# KiCad board main.kicad_pcb (continued)
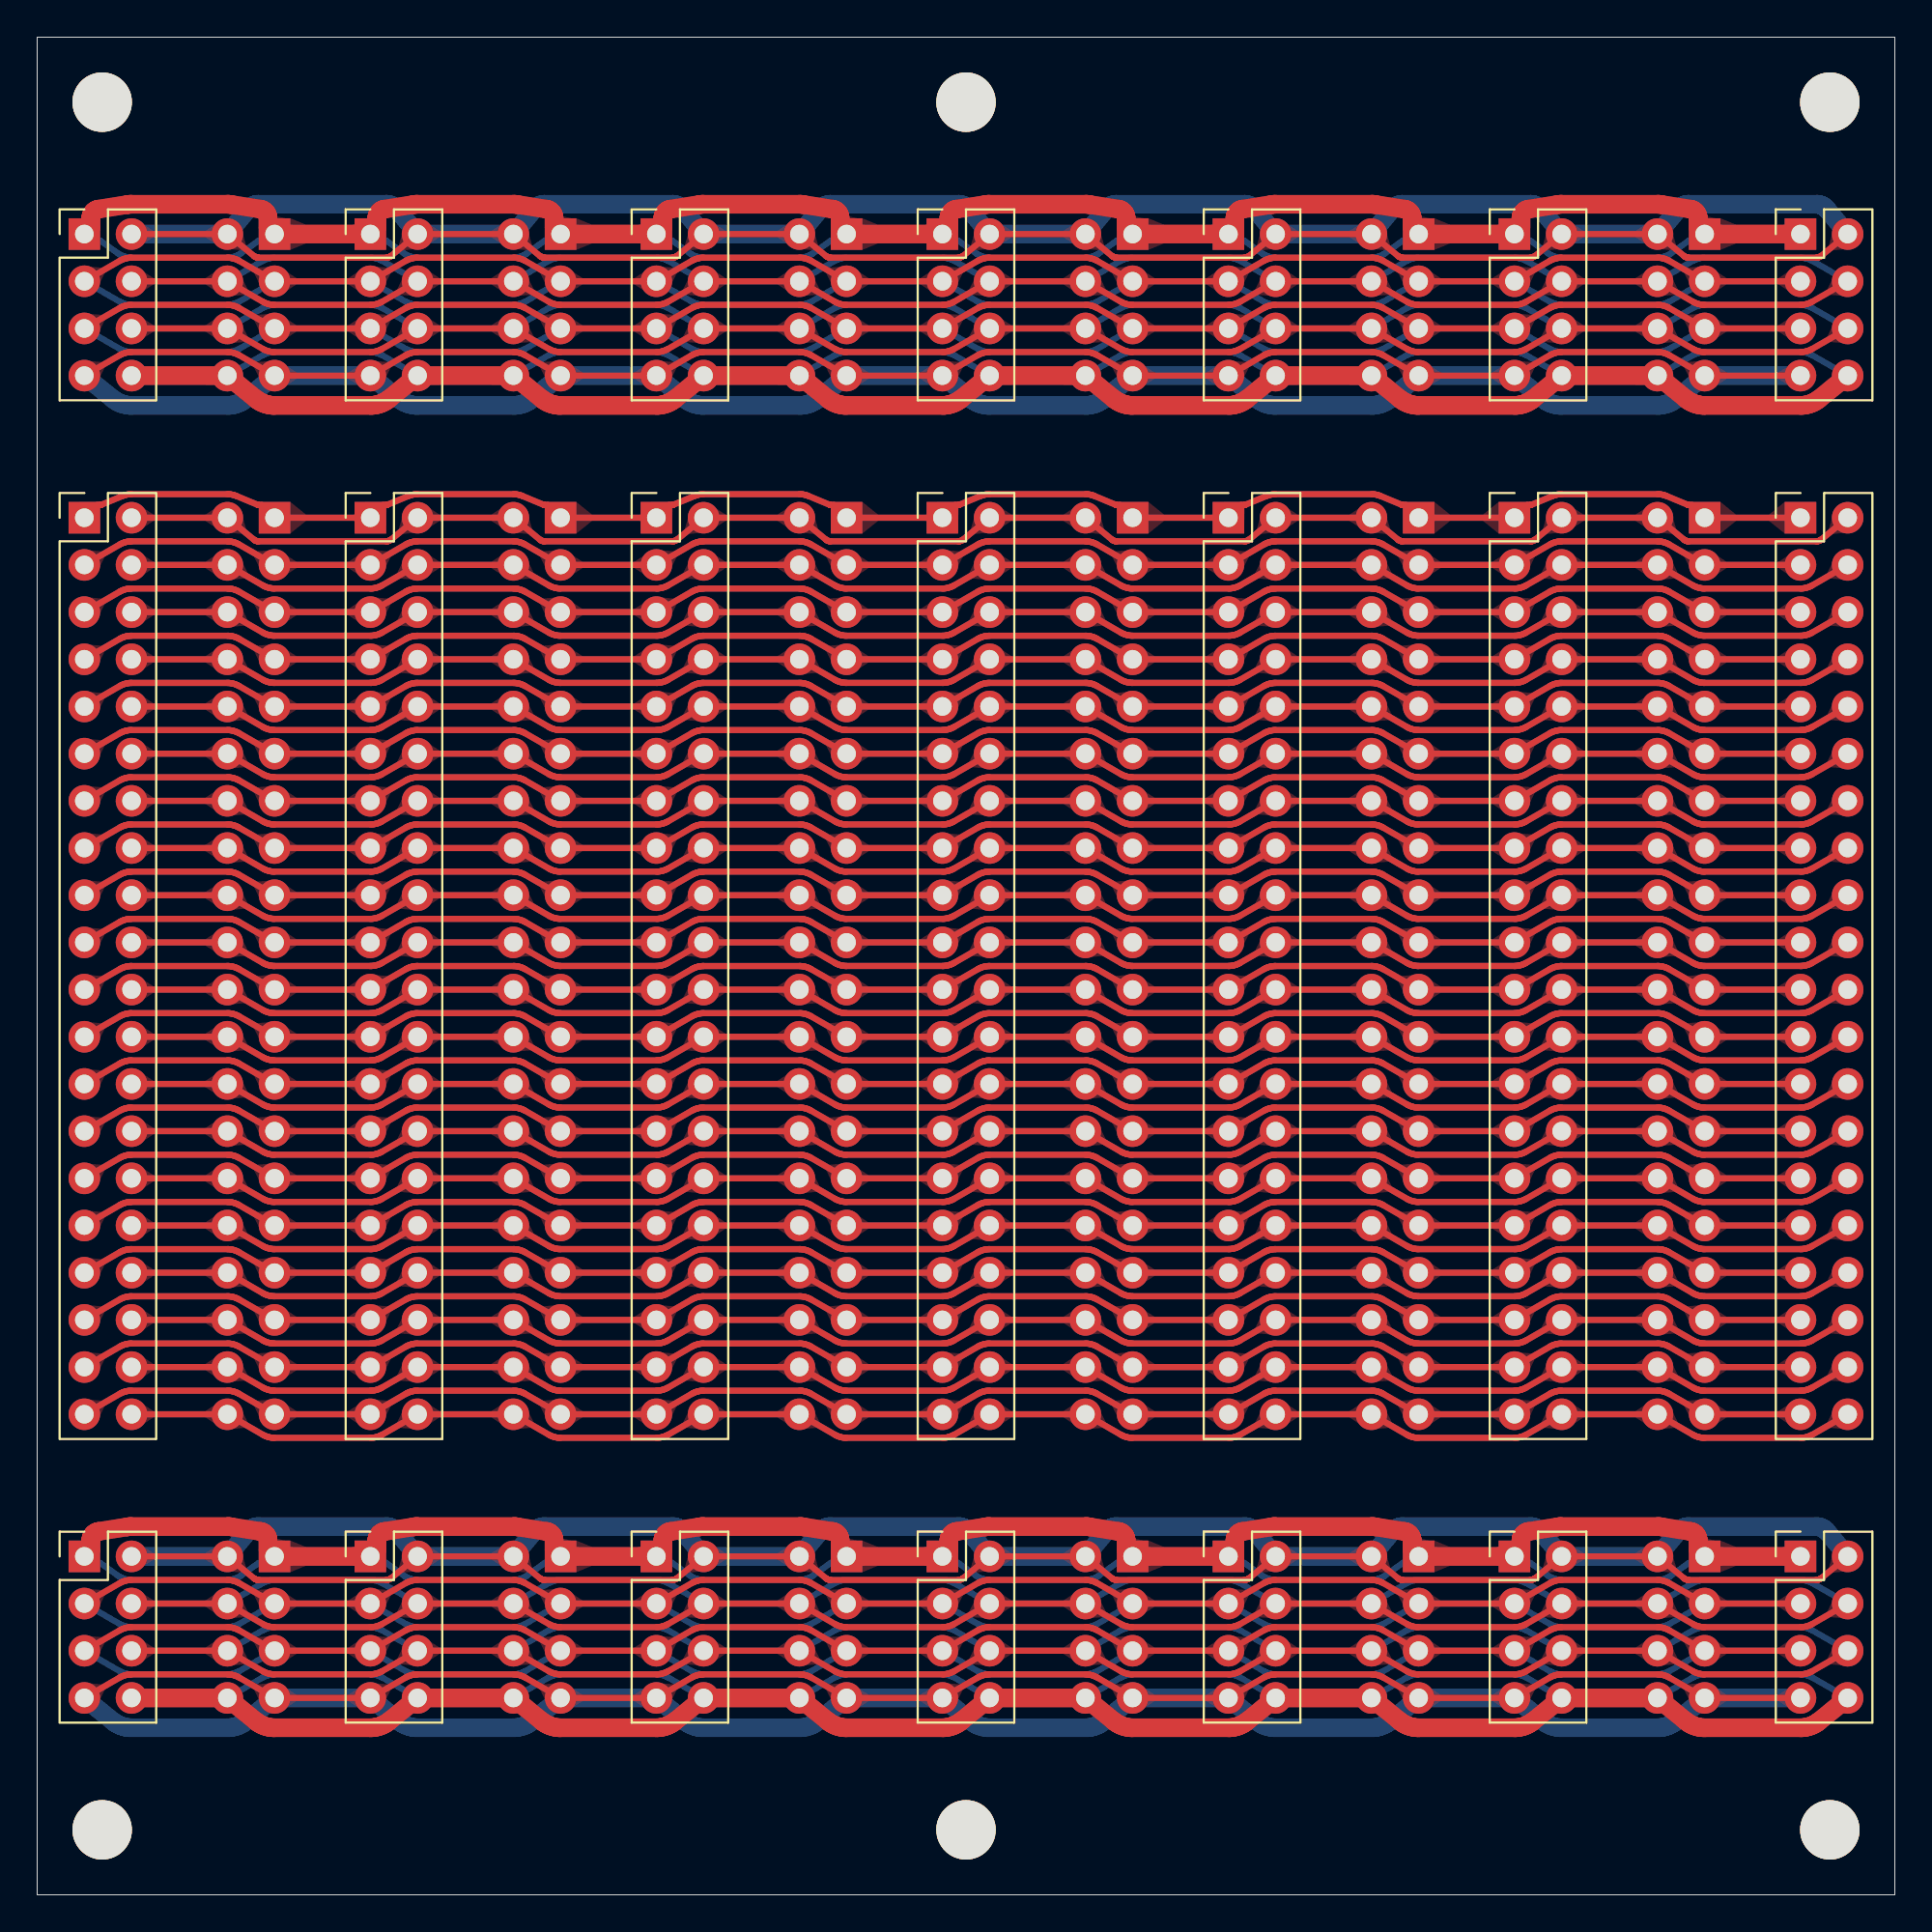
[diagram p0: board, top side]
## Routing (per net, layer and track width the routed paths; a pad name or vN(x,y) marks a point on that pad's centre or on a via; arc(x,y) is an arc through that point) (continued)
C5: length 192.5
  Top w0.33: J39.5 J17.5 87.86,14.24 87.8,14.27 87.75,14.29 87.69,14.32 87.64,14.34 87.58,14.36 87.52,14.37 87.46,14.39 87.4,14.4 87.34,14.4 87.28,14.41 87.22,14.41 82.06,14.41 82,14.41 81.94,14.4 81.88,14.4 81.82,14.39 81.76,14.37 81.71,14.36 81.65,14.34 81.59,14.32 81.54,14.29 81.48,14.27 81.43,14.24 J32.5 J18.5 72.46,14.24 72.41,14.27 72.35,14.29 72.3,14.32 72.24,14.34 72.18,14.36 72.12,14.37 72.07,14.39 72.01,14.4 71.95,14.4 71.89,14.41 71.83,14.41 66.67,14.41 66.61,14.41 66.55,14.4 66.49,14.4 66.43,14.39 66.37,14.37 66.31,14.36 66.25,14.34 66.2,14.32 66.14,14.29 66.09,14.27 66.03,14.24 J33.5 J34.5 57.06,14.24 57.01,14.27 56.96,14.29 56.9,14.32 56.84,14.34 56.79,14.36 56.73,14.37 56.67,14.39 56.61,14.4 56.55,14.4 56.49,14.41 56.43,14.41 51.27,14.41 51.21,14.41 51.15,14.4 51.09,14.4 51.03,14.39 50.97,14.37 50.91,14.36 50.85,14.34 50.8,14.32 50.74,14.29 50.69,14.27 50.64,14.24 J31.5 J14.5 41.67,14.24 41.61,14.27 41.56,14.29 41.5,14.32 41.45,14.34 41.39,14.36 41.33,14.37 41.27,14.39 41.21,14.4 41.15,14.4 41.09,14.41 41.03,14.41 35.87,14.41 35.81,14.41 35.75,14.4 35.69,14.4 35.63,14.39 35.57,14.37 35.52,14.36 35.46,14.34 35.4,14.32 35.35,14.29 35.29,14.27 35.24,14.24 J35.5 J15.5 26.27,14.24 26.22,14.27 26.16,14.29 26.11,14.32 26.05,14.34 25.99,14.36 25.93,14.37 25.88,14.39 25.82,14.4 25.76,14.4 25.7,14.41 25.63,14.41 20.48,14.41 20.42,14.41 20.36,14.4 20.3,14.4 20.24,14.39 20.18,14.37 20.12,14.36 20.06,14.34 20.01,14.32 19.95,14.29 19.9,14.27 19.84,14.24 J36.5 J16.5 10.87,14.24 10.82,14.27 10.77,14.29 10.71,14.32 10.65,14.34 10.6,14.36 10.54,14.37 10.48,14.39 10.42,14.4 10.36,14.4 10.3,14.41 10.24,14.41 5.08,14.41 5.02,14.41 4.96,14.4 4.9,14.4 4.84,14.39 4.78,14.37 4.72,14.36 4.66,14.34 4.61,14.32 4.55,14.29 4.5,14.27 4.45,14.24 J1.5
  Bottom w0.33: J1.5 4.45,12.04 4.5,12.01 4.55,11.99 4.61,11.96 4.66,11.94 4.72,11.92 4.78,11.91 4.84,11.89 4.9,11.88 4.96,11.88 5.02,11.87 5.08,11.87 10.24,11.87 10.3,11.87 10.36,11.88 10.42,11.88 10.48,11.89 10.54,11.91 10.6,11.92 10.65,11.94 10.71,11.96 10.77,11.99 10.82,12.01 10.87,12.04 J16.5 J36.5 19.84,12.04 19.9,12.01 19.95,11.99 20.01,11.96 20.06,11.94 20.12,11.92 20.18,11.91 20.24,11.89 20.3,11.88 20.36,11.88 20.42,11.87 20.48,11.87 25.63,11.87 25.7,11.87 25.76,11.88 25.82,11.88 25.88,11.89 25.93,11.91 25.99,11.92 26.05,11.94 26.11,11.96 26.16,11.99 26.22,12.01 26.27,12.04 J15.5 J35.5 35.24,12.04 35.29,12.01 35.35,11.99 35.4,11.96 35.46,11.94 35.52,11.92 35.57,11.91 35.63,11.89 35.69,11.88 35.75,11.88 35.81,11.87 35.87,11.87 41.03,11.87 41.09,11.87 41.15,11.88 41.21,11.88 41.27,11.89 41.33,11.91 41.39,11.92 41.45,11.94 41.5,11.96 41.56,11.99 41.61,12.01 41.67,12.04 J14.5 J31.5 50.64,12.04 50.69,12.01 50.74,11.99 50.8,11.96 50.85,11.94 50.91,11.92 50.97,11.91 51.03,11.89 51.09,11.88 51.15,11.88 51.21,11.87 51.27,11.87 56.43,11.87 56.49,11.87 56.55,11.88 56.61,11.88 56.67,11.89 56.73,11.91 56.79,11.92 56.84,11.94 56.9,11.96 56.96,11.99 57.01,12.01 57.06,12.04 J34.5 J33.5 66.03,12.04 66.09,12.01 66.14,11.99 66.2,11.96 66.25,11.94 66.31,11.92 66.37,11.91 66.43,11.89 66.49,11.88 66.55,11.88 66.61,11.87 66.67,11.87 71.83,11.87 71.89,11.87 71.95,11.88 72.01,11.88 72.07,11.89 72.12,11.91 72.18,11.92 72.24,11.94 72.3,11.96 72.35,11.99 72.41,12.01 72.46,12.04 J18.5 J32.5 81.43,12.04 81.48,12.01 81.54,11.99 81.59,11.96 81.65,11.94 81.71,11.92 81.76,11.91 81.82,11.89 81.88,11.88 81.94,11.88 82,11.87 82.06,11.87 87.22,11.87 87.28,11.87 87.34,11.88 87.4,11.88 87.46,11.89 87.52,11.91 87.58,11.92 87.64,11.94 87.69,11.96 87.75,11.99 87.8,12.01 87.86,12.04 J17.5 J39.5
C6: length 192.5
  Top w0.33: J1.6 J16.6 12.14,12.04 12.2,12.01 12.25,11.99 12.31,11.96 12.36,11.94 12.42,11.92 12.48,11.91 12.54,11.89 12.6,11.88 12.66,11.88 12.72,11.87 12.78,11.87 17.94,11.87 18,11.87 18.06,11.88 18.12,11.88 18.18,11.89 18.24,11.91 18.29,11.92 18.35,11.94 18.41,11.96 18.46,11.99 18.52,12.01 18.57,12.04 J36.6 J15.6 27.54,12.04 27.59,12.01 27.65,11.99 27.7,11.96 27.76,11.94 27.82,11.92 27.88,11.91 27.93,11.89 27.99,11.88 28.05,11.88 28.11,11.87 28.17,11.87 33.33,11.87 33.39,11.87 33.45,11.88 33.51,11.88 33.57,11.89 33.63,11.91 33.69,11.92 33.75,11.94 33.8,11.96 33.86,11.99 33.91,12.01 33.97,12.04 J35.6 J14.6 42.94,12.04 42.99,12.01 43.04,11.99 43.1,11.96 43.16,11.94 43.21,11.92 43.27,11.91 43.33,11.89 43.39,11.88 43.45,11.88 43.51,11.87 43.57,11.87 48.73,11.87 48.79,11.87 48.85,11.88 48.91,11.88 48.97,11.89 49.03,11.91 49.09,11.92 49.15,11.94 49.2,11.96 49.26,11.99 49.31,12.01 49.36,12.04 J31.6 J34.6 58.33,12.04 58.39,12.01 58.44,11.99 58.5,11.96 58.55,11.94 58.61,11.92 58.67,11.91 58.73,11.89 58.79,11.88 58.85,11.88 58.91,11.87 58.97,11.87 64.13,11.87 64.19,11.87 64.25,11.88 64.31,11.88 64.37,11.89 64.43,11.91 64.48,11.92 64.54,11.94 64.6,11.96 64.65,11.99 64.71,12.01 64.76,12.04 J33.6 J18.6 73.73,12.04 73.78,12.01 73.84,11.99 73.89,11.96 73.95,11.94 74.01,11.92 74.07,11.91 74.12,11.89 74.18,11.88 74.24,11.88 74.3,11.87 74.36,11.87 79.52,11.87 79.58,11.87 79.64,11.88 79.7,11.88 79.76,11.89 79.82,11.91 79.88,11.92 79.94,11.94 79.99,11.96 80.05,11.99 80.1,12.01 80.16,12.04 J32.6 J17.6 89.13,12.04 89.18,12.01 89.23,11.99 89.29,11.96 89.35,11.94 89.4,11.92 89.46,11.91 89.52,11.89 89.58,11.88 89.64,11.88 89.7,11.87 89.76,11.87 94.92,11.87 94.98,11.87 95.04,11.88 95.1,11.88 95.16,11.89 95.22,11.91 95.28,11.92 95.34,11.94 95.39,11.96 95.45,11.99 95.5,12.01 95.55,12.04 J39.6
  Bottom w0.33: J39.6 95.55,14.24 95.5,14.27 95.45,14.29 95.39,14.32 95.34,14.34 95.28,14.36 95.22,14.37 95.16,14.39 95.1,14.4 95.04,14.4 94.98,14.41 94.92,14.41 89.76,14.41 89.7,14.41 89.64,14.4 89.58,14.4 89.52,14.39 89.46,14.37 89.4,14.36 89.35,14.34 89.29,14.32 89.23,14.29 89.18,14.27 89.13,14.24 J17.6 J32.6 80.16,14.24 80.1,14.27 80.05,14.29 79.99,14.32 79.94,14.34 79.88,14.36 79.82,14.37 79.76,14.39 79.7,14.4 79.64,14.4 79.58,14.41 79.52,14.41 74.36,14.41 74.3,14.41 74.24,14.4 74.18,14.4 74.12,14.39 74.07,14.37 74.01,14.36 73.95,14.34 73.89,14.32 73.84,14.29 73.78,14.27 73.73,14.24 J18.6 J33.6 64.76,14.24 64.71,14.27 64.65,14.29 64.6,14.32 64.54,14.34 64.48,14.36 64.43,14.37 64.37,14.39 64.31,14.4 64.25,14.4 64.19,14.41 64.13,14.41 58.97,14.41 58.91,14.41 58.85,14.4 58.79,14.4 58.73,14.39 58.67,14.37 58.61,14.36 58.55,14.34 58.5,14.32 58.44,14.29 58.39,14.27 58.33,14.24 J34.6 J31.6 49.36,14.24 49.31,14.27 49.26,14.29 49.2,14.32 49.15,14.34 49.09,14.36 49.03,14.37 48.97,14.39 48.91,14.4 48.85,14.4 48.79,14.41 48.73,14.41 43.57,14.41 43.51,14.41 43.45,14.4 43.39,14.4 43.33,14.39 43.27,14.37 43.21,14.36 43.16,14.34 43.1,14.32 43.04,14.29 42.99,14.27 42.94,14.24 J14.6 J35.6 33.97,14.24 33.91,14.27 33.86,14.29 33.8,14.32 33.75,14.34 33.69,14.36 33.63,14.37 33.57,14.39 33.51,14.4 33.45,14.4 33.39,14.41 33.33,14.41 28.17,14.41 28.11,14.41 28.05,14.4 27.99,14.4 27.93,14.39 27.88,14.37 27.82,14.36 27.76,14.34 27.7,14.32 27.65,14.29 27.59,14.27 27.54,14.24 J15.6 J36.6 18.57,14.24 18.52,14.27 18.46,14.29 18.41,14.32 18.35,14.34 18.29,14.36 18.24,14.37 18.18,14.39 18.12,14.4 18.06,14.4 18,14.41 17.94,14.41 12.78,14.41 12.72,14.41 12.66,14.4 12.6,14.4 12.54,14.39 12.48,14.37 12.42,14.36 12.36,14.34 12.31,14.32 12.25,14.29 12.2,14.27 12.14,14.24 J16.6 J1.6
C7: length 195
  Top w0.33: J1.7 4.45,11.7 4.5,11.73 4.55,11.75 4.61,11.78 4.66,11.8 4.72,11.82 4.78,11.83 4.84,11.85 4.9,11.86 4.96,11.86 5.02,11.87 5.08,11.87 10.24,11.87 10.3,11.87 10.36,11.86 10.42,11.86 10.48,11.85 10.54,11.83 10.6,11.82 10.65,11.8 10.71,11.78 10.77,11.75 10.82,11.73 10.87,11.7 J16.7 J36.7 19.84,11.7 19.9,11.73 19.95,11.75 20.01,11.78 20.06,11.8 20.12,11.82 20.18,11.83 20.24,11.85 20.3,11.86 20.36,11.86 20.42,11.87 20.48,11.87 25.63,11.87 25.7,11.87 25.76,11.86 25.82,11.86 25.88,11.85 25.93,11.83 25.99,11.82 26.05,11.8 26.11,11.78 26.16,11.75 26.22,11.73 26.27,11.7 J15.7 J35.7 35.24,11.7 35.29,11.73 35.35,11.75 35.4,11.78 35.46,11.8 35.52,11.82 35.57,11.83 35.63,11.85 35.69,11.86 35.75,11.86 35.81,11.87 35.87,11.87 41.03,11.87 41.09,11.87 41.15,11.86 41.21,11.86 41.27,11.85 41.33,11.83 41.39,11.82 41.45,11.8 41.5,11.78 41.56,11.75 41.61,11.73 41.67,11.7 J14.7 J31.7 50.64,11.7 50.69,11.73 50.74,11.75 50.8,11.78 50.85,11.8 50.91,11.82 50.97,11.83 51.03,11.85 51.09,11.86 51.15,11.86 51.21,11.87 51.27,11.87 56.43,11.87 56.49,11.87 56.55,11.86 56.61,11.86 56.67,11.85 56.73,11.83 56.79,11.82 56.84,11.8 56.9,11.78 56.96,11.75 57.01,11.73 57.06,11.7 J34.7 J33.7 66.03,11.7 66.09,11.73 66.14,11.75 66.2,11.78 66.25,11.8 66.31,11.82 66.37,11.83 66.43,11.85 66.49,11.86 66.55,11.86 66.61,11.87 66.67,11.87 71.83,11.87 71.89,11.87 71.95,11.86 72.01,11.86 72.07,11.85 72.12,11.83 72.18,11.82 72.24,11.8 72.3,11.78 72.35,11.75 72.41,11.73 72.46,11.7 J18.7 J32.7 81.43,11.7 81.48,11.73 81.54,11.75 81.59,11.78 81.65,11.8 81.71,11.82 81.76,11.83 81.82,11.85 81.88,11.86 81.94,11.86 82,11.87 82.06,11.87 87.22,11.87 87.28,11.87 87.34,11.86 87.4,11.86 87.46,11.85 87.52,11.83 87.58,11.82 87.64,11.8 87.69,11.78 87.75,11.75 87.8,11.73 87.86,11.7 J17.7 J39.7
  Bottom w1: J39.7 J17.7 88.24,9.36 88.17,9.31 88.11,9.26 88.04,9.22 87.97,9.18 87.9,9.15 87.83,9.12 87.76,9.09 87.69,9.06 87.61,9.04 87.53,9.03 87.46,9.01 87.38,9 87.3,9 87.22,9 82.06,9 81.98,9 81.91,9 81.83,9.01 81.75,9.03 81.68,9.04 81.6,9.06 81.53,9.09 81.45,9.12 81.38,9.15 81.31,9.18 81.24,9.22 81.18,9.26 81.11,9.31 81.05,9.36 J32.7 J18.7 72.84,9.36 72.78,9.31 72.71,9.26 72.65,9.22 72.58,9.18 72.51,9.15 72.44,9.12 72.36,9.09 72.29,9.06 72.21,9.04 72.14,9.03 72.06,9.01 71.98,9 71.9,9 71.83,9 66.67,9 66.59,9 66.51,9 66.43,9.01 66.36,9.03 66.28,9.04 66.2,9.06 66.13,9.09 66.06,9.12 65.98,9.15 65.91,9.18 65.85,9.22 65.78,9.26 65.72,9.31 65.65,9.36 J33.7 J34.7 57.44,9.36 57.38,9.31 57.32,9.26 57.25,9.22 57.18,9.18 57.11,9.15 57.04,9.12 56.97,9.09 56.89,9.06 56.82,9.04 56.74,9.03 56.66,9.01 56.58,9 56.51,9 56.43,9 51.27,9 51.19,9 51.11,9 51.04,9.01 50.96,9.03 50.88,9.04 50.81,9.06 50.73,9.09 50.66,9.12 50.59,9.15 50.52,9.18 50.45,9.22 50.38,9.26 50.32,9.31 50.26,9.36 J31.7 J14.7 42.05,9.36 41.98,9.31 41.92,9.26 41.85,9.22 41.78,9.18 41.71,9.15 41.64,9.12 41.57,9.09 41.5,9.06 41.42,9.04 41.34,9.03 41.27,9.01 41.19,9 41.11,9 41.03,9 35.87,9 35.79,9 35.72,9 35.64,9.01 35.56,9.03 35.49,9.04 35.41,9.06 35.34,9.09 35.26,9.12 35.19,9.15 35.12,9.18 35.05,9.22 34.99,9.26 34.92,9.31 34.86,9.36 J35.7 J15.7 26.65,9.36 26.59,9.31 26.52,9.26 26.46,9.22 26.39,9.18 26.32,9.15 26.25,9.12 26.17,9.09 26.1,9.06 26.02,9.04 25.95,9.03 25.87,9.01 25.79,9 25.71,9 25.63,9 20.48,9 20.4,9 20.32,9 20.24,9.01 20.17,9.03 20.09,9.04 20.01,9.06 19.94,9.09 19.87,9.12 19.79,9.15 19.72,9.18 19.66,9.22 19.59,9.26 19.53,9.31 19.46,9.36 J36.7 J16.7 11.25,9.36 11.19,9.31 11.13,9.26 11.06,9.22 10.99,9.18 10.92,9.15 10.85,9.12 10.78,9.09 10.7,9.06 10.63,9.04 10.55,9.03 10.47,9.01 10.39,9 10.32,9 10.24,9 5.08,9 5,9 4.92,9 4.85,9.01 4.77,9.03 4.69,9.04 4.62,9.06 4.54,9.09 4.47,9.12 4.4,9.15 4.33,9.18 4.26,9.22 4.19,9.26 4.13,9.31 4.07,9.36 J1.7
C8: length 195
  Top w1: J1.8 J16.8 11.76,9.36 11.83,9.31 11.89,9.26 11.96,9.22 12.03,9.18 12.1,9.15 12.17,9.12 12.24,9.09 12.31,9.06 12.39,9.04 12.47,9.03 12.54,9.01 12.62,9 12.7,9 12.78,9 17.94,9 18.02,9 18.09,9 18.17,9.01 18.25,9.03 18.32,9.04 18.4,9.06 18.47,9.09 18.55,9.12 18.62,9.15 18.69,9.18 18.76,9.22 18.82,9.26 18.89,9.31 18.95,9.36 J36.8 J15.8 27.16,9.36 27.22,9.31 27.29,9.26 27.35,9.22 27.42,9.18 27.49,9.15 27.56,9.12 27.64,9.09 27.71,9.06 27.79,9.04 27.86,9.03 27.94,9.01 28.02,9 28.1,9 28.17,9 33.33,9 33.41,9 33.49,9 33.57,9.01 33.64,9.03 33.72,9.04 33.8,9.06 33.87,9.09 33.94,9.12 34.02,9.15 34.09,9.18 34.15,9.22 34.22,9.26 34.28,9.31 34.35,9.36 J35.8 J14.8 42.56,9.36 42.62,9.31 42.68,9.26 42.75,9.22 42.82,9.18 42.89,9.15 42.96,9.12 43.03,9.09 43.11,9.06 43.18,9.04 43.26,9.03 43.34,9.01 43.42,9 43.49,9 43.57,9 48.73,9 48.81,9 48.89,9 48.96,9.01 49.04,9.03 49.12,9.04 49.19,9.06 49.27,9.09 49.34,9.12 49.41,9.15 49.48,9.18 49.55,9.22 49.62,9.26 49.68,9.31 49.74,9.36 J31.8 J34.8 57.95,9.36 58.02,9.31 58.08,9.26 58.15,9.22 58.22,9.18 58.29,9.15 58.36,9.12 58.43,9.09 58.5,9.06 58.58,9.04 58.66,9.03 58.73,9.01 58.81,9 58.89,9 58.97,9 64.13,9 64.21,9 64.28,9 64.36,9.01 64.44,9.03 64.51,9.04 64.59,9.06 64.66,9.09 64.74,9.12 64.81,9.15 64.88,9.18 64.95,9.22 65.01,9.26 65.08,9.31 65.14,9.36 J33.8 J18.8 73.35,9.36 73.41,9.31 73.48,9.26 73.54,9.22 73.61,9.18 73.68,9.15 73.75,9.12 73.83,9.09 73.9,9.06 73.98,9.04 74.05,9.03 74.13,9.01 74.21,9 74.29,9 74.36,9 79.52,9 79.6,9 79.68,9 79.76,9.01 79.83,9.03 79.91,9.04 79.99,9.06 80.06,9.09 80.13,9.12 80.21,9.15 80.28,9.18 80.34,9.22 80.41,9.26 80.47,9.31 80.54,9.36 J32.8 J17.8 88.75,9.36 88.81,9.31 88.87,9.26 88.94,9.22 89.01,9.18 89.08,9.15 89.15,9.12 89.22,9.09 89.3,9.06 89.37,9.04 89.45,9.03 89.53,9.01 89.61,9 89.68,9 89.76,9 94.92,9 95,9 95.08,9 95.15,9.01 95.23,9.03 95.31,9.04 95.38,9.06 95.46,9.09 95.53,9.12 95.6,9.15 95.67,9.18 95.74,9.22 95.81,9.26 95.87,9.31 95.93,9.36 J39.8
  Bottom w0.33: J1.8 J16.8 12.14,11.7 12.2,11.73 12.25,11.75 12.31,11.78 12.36,11.8 12.42,11.82 12.48,11.83 12.54,11.85 12.6,11.86 12.66,11.86 12.72,11.87 12.78,11.87 17.94,11.87 18,11.87 18.06,11.86 18.12,11.86 18.18,11.85 18.24,11.83 18.29,11.82 18.35,11.8 18.41,11.78 18.46,11.75 18.52,11.73 18.57,11.7 J36.8 J15.8 27.54,11.7 27.59,11.73 27.65,11.75 27.7,11.78 27.76,11.8 27.82,11.82 27.88,11.83 27.93,11.85 27.99,11.86 28.05,11.86 28.11,11.87 28.17,11.87 33.33,11.87 33.39,11.87 33.45,11.86 33.51,11.86 33.57,11.85 33.63,11.83 33.69,11.82 33.75,11.8 33.8,11.78 33.86,11.75 33.91,11.73 33.97,11.7 J35.8 J14.8 42.94,11.7 42.99,11.73 43.04,11.75 43.1,11.78 43.16,11.8 43.21,11.82 43.27,11.83 43.33,11.85 43.39,11.86 43.45,11.86 43.51,11.87 43.57,11.87 48.73,11.87 48.79,11.87 48.85,11.86 48.91,11.86 48.97,11.85 49.03,11.83 49.09,11.82 49.15,11.8 49.2,11.78 49.26,11.75 49.31,11.73 49.36,11.7 J31.8 J34.8 58.33,11.7 58.39,11.73 58.44,11.75 58.5,11.78 58.55,11.8 58.61,11.82 58.67,11.83 58.73,11.85 58.79,11.86 58.85,11.86 58.91,11.87 58.97,11.87 64.13,11.87 64.19,11.87 64.25,11.86 64.31,11.86 64.37,11.85 64.43,11.83 64.48,11.82 64.54,11.8 64.6,11.78 64.65,11.75 64.71,11.73 64.76,11.7 J33.8 J18.8 73.73,11.7 73.78,11.73 73.84,11.75 73.89,11.78 73.95,11.8 74.01,11.82 74.07,11.83 74.12,11.85 74.18,11.86 74.24,11.86 74.3,11.87 74.36,11.87 79.52,11.87 79.58,11.87 79.64,11.86 79.7,11.86 79.76,11.85 79.82,11.83 79.88,11.82 79.94,11.8 79.99,11.78 80.05,11.75 80.1,11.73 80.16,11.7 J32.8 J17.8 89.13,11.7 89.18,11.73 89.23,11.75 89.29,11.78 89.35,11.8 89.4,11.82 89.46,11.83 89.52,11.85 89.58,11.86 89.64,11.86 89.7,11.87 89.76,11.87 94.92,11.87 94.98,11.87 95.04,11.86 95.1,11.86 95.16,11.85 95.22,11.83 95.28,11.82 95.34,11.8 95.39,11.78 95.45,11.75 95.5,11.73 95.55,11.7 J39.8
CLK: length 192.5
  Top w0.33: J3.24 J26.24 12.14,45.09 12.2,45.06 12.25,45.04 12.31,45.01 12.36,44.99 12.42,44.97 12.48,44.96 12.54,44.94 12.6,44.93 12.66,44.93 12.72,44.92 12.78,44.92 17.94,44.92 18,44.92 18.06,44.93 18.12,44.93 18.18,44.94 18.24,44.96 18.29,44.97 18.35,44.99 18.41,45.01 18.46,45.04 18.52,45.06 18.57,45.09 J12.24 J9.24 27.54,45.09 27.59,45.06 27.65,45.04 27.7,45.01 27.76,44.99 27.82,44.97 27.88,44.96 27.93,44.94 27.99,44.93 28.05,44.93 28.11,44.92 28.17,44.92 33.33,44.92 33.39,44.92 33.45,44.93 33.51,44.93 33.57,44.94 33.63,44.96 33.69,44.97 33.75,44.99 33.8,45.01 33.86,45.04 33.91,45.06 33.97,45.09 J13.24 J28.24 42.94,45.09 42.99,45.06 43.04,45.04 43.1,45.01 43.16,44.99 43.21,44.97 43.27,44.96 43.33,44.94 43.39,44.93 43.45,44.93 43.51,44.92 43.57,44.92 48.73,44.92 48.79,44.92 48.85,44.93 48.91,44.93 48.97,44.94 49.03,44.96 49.09,44.97 49.15,44.99 49.2,45.01 49.26,45.04 49.31,45.06 49.36,45.09 J11.24 J27.24 58.33,45.09 58.39,45.06 58.44,45.04 58.5,45.01 58.55,44.99 58.61,44.97 58.67,44.96 58.73,44.94 58.79,44.93 58.85,44.93 58.91,44.92 58.97,44.92 64.13,44.92 64.19,44.92 64.25,44.93 64.31,44.93 64.37,44.94 64.43,44.96 64.48,44.97 64.54,44.99 64.6,45.01 64.65,45.04 64.71,45.06 64.76,45.09 J25.24 J38.24 73.73,45.09 73.78,45.06 73.84,45.04 73.89,45.01 73.95,44.99 74.01,44.97 74.07,44.96 74.12,44.94 74.18,44.93 74.24,44.93 74.3,44.92 74.36,44.92 79.52,44.92 79.58,44.92 79.64,44.93 79.7,44.93 79.76,44.94 79.82,44.96 79.88,44.97 79.94,44.99 79.99,45.01 80.05,45.04 80.1,45.06 80.16,45.09 J30.24 J10.24 89.13,45.09 89.18,45.06 89.23,45.04 89.29,45.01 89.35,44.99 89.4,44.97 89.46,44.96 89.52,44.94 89.58,44.93 89.64,44.93 89.7,44.92 89.76,44.92 94.92,44.92 94.98,44.92 95.04,44.93 95.1,44.93 95.16,44.94 95.22,44.96 95.28,44.97 95.34,44.99 95.39,45.01 95.45,45.04 95.5,45.06 95.55,45.09 J29.24
  Bottom w0.33: J29.24 95.55,45.09 95.5,45.06 95.45,45.04 95.39,45.01 95.34,44.99 95.28,44.97 95.22,44.96 95.16,44.94 95.1,44.93 95.04,44.93 94.98,44.92 94.92,44.92 89.76,44.92 89.7,44.92 89.64,44.93 89.58,44.93 89.52,44.94 89.46,44.96 89.4,44.97 89.35,44.99 89.29,45.01 89.23,45.04 89.18,45.06 89.13,45.09 J10.24 J30.24 80.16,45.09 80.1,45.06 80.05,45.04 79.99,45.01 79.94,44.99 79.88,44.97 79.82,44.96 79.76,44.94 79.7,44.93 79.64,44.93 79.58,44.92 79.52,44.92 74.36,44.92 74.3,44.92 74.24,44.93 74.18,44.93 74.12,44.94 74.07,44.96 74.01,44.97 73.95,44.99 73.89,45.01 73.84,45.04 73.78,45.06 73.73,45.09 J38.24 J25.24 64.76,45.09 64.71,45.06 64.65,45.04 64.6,45.01 64.54,44.99 64.48,44.97 64.43,44.96 64.37,44.94 64.31,44.93 64.25,44.93 64.19,44.92 64.13,44.92 58.97,44.92 58.91,44.92 58.85,44.93 58.79,44.93 58.73,44.94 58.67,44.96 58.61,44.97 58.55,44.99 58.5,45.01 58.44,45.04 58.39,45.06 58.33,45.09 J27.24 J11.24 49.36,45.09 49.31,45.06 49.26,45.04 49.2,45.01 49.15,44.99 49.09,44.97 49.03,44.96 48.97,44.94 48.91,44.93 48.85,44.93 48.79,44.92 48.73,44.92 43.57,44.92 43.51,44.92 43.45,44.93 43.39,44.93 43.33,44.94 43.27,44.96 43.21,44.97 43.16,44.99 43.1,45.01 43.04,45.04 42.99,45.06 42.94,45.09 J28.24 J13.24 33.97,45.09 33.91,45.06 33.86,45.04 33.8,45.01 33.75,44.99 33.69,44.97 33.63,44.96 33.57,44.94 33.51,44.93 33.45,44.93 33.39,44.92 33.33,44.92 28.17,44.92 28.11,44.92 28.05,44.93 27.99,44.93 27.93,44.94 27.88,44.96 27.82,44.97 27.76,44.99 27.7,45.01 27.65,45.04 27.59,45.06 27.54,45.09 J9.24 J12.24 18.57,45.09 18.52,45.06 18.46,45.04 18.41,45.01 18.35,44.99 18.29,44.97 18.24,44.96 18.18,44.94 18.12,44.93 18.06,44.93 18,44.92 17.94,44.92 12.78,44.92 12.72,44.92 12.66,44.93 12.6,44.93 12.54,44.94 12.48,44.96 12.42,44.97 12.36,44.99 12.31,45.01 12.25,45.04 12.2,45.06 12.14,45.09 J26.24 J3.24
F_A0: length 192.5
  Top w0.33: J29.26 95.55,42.55 95.5,42.52 95.45,42.5 95.39,42.47 95.34,42.45 95.28,42.43 95.22,42.42 95.16,42.4 95.1,42.39 95.04,42.39 94.98,42.38 94.92,42.38 89.76,42.38 89.7,42.38 89.64,42.39 89.58,42.39 89.52,42.4 89.46,42.42 89.4,42.43 89.35,42.45 89.29,42.47 89.23,42.5 89.18,42.52 89.13,42.55 J10.26 J30.26 80.16,42.55 80.1,42.52 80.05,42.5 79.99,42.47 79.94,42.45 79.88,42.43 79.82,42.42 79.76,42.4 79.7,42.39 79.64,42.39 79.58,42.38 79.52,42.38 74.36,42.38 74.3,42.38 74.24,42.39 74.18,42.39 74.12,42.4 74.07,42.42 74.01,42.43 73.95,42.45 73.89,42.47 73.84,42.5 73.78,42.52 73.73,42.55 J38.26 J25.26 64.76,42.55 64.71,42.52 64.65,42.5 64.6,42.47 64.54,42.45 64.48,42.43 64.43,42.42 64.37,42.4 64.31,42.39 64.25,42.39 64.19,42.38 64.13,42.38 58.97,42.38 58.91,42.38 58.85,42.39 58.79,42.39 58.73,42.4 58.67,42.42 58.61,42.43 58.55,42.45 58.5,42.47 58.44,42.5 58.39,42.52 58.33,42.55 J27.26 J11.26 49.36,42.55 49.31,42.52 49.26,42.5 49.2,42.47 49.15,42.45 49.09,42.43 49.03,42.42 48.97,42.4 48.91,42.39 48.85,42.39 48.79,42.38 48.73,42.38 43.57,42.38 43.51,42.38 43.45,42.39 43.39,42.39 43.33,42.4 43.27,42.42 43.21,42.43 43.16,42.45 43.1,42.47 43.04,42.5 42.99,42.52 42.94,42.55 J28.26 J13.26 33.97,42.55 33.91,42.52 33.86,42.5 33.8,42.47 33.75,42.45 33.69,42.43 33.63,42.42 33.57,42.4 33.51,42.39 33.45,42.39 33.39,42.38 33.33,42.38 28.17,42.38 28.11,42.38 28.05,42.39 27.99,42.39 27.93,42.4 27.88,42.42 27.82,42.43 27.76,42.45 27.7,42.47 27.65,42.5 27.59,42.52 27.54,42.55 25.63,43.65 J12.26 18.57,42.55 18.52,42.52 18.46,42.5 18.41,42.47 18.35,42.45 18.29,42.43 18.24,42.42 18.18,42.4 18.12,42.39 18.06,42.39 18,42.38 17.94,42.38 12.78,42.38 12.72,42.38 12.66,42.39 12.6,42.39 12.54,42.4 12.48,42.42 12.42,42.43 12.36,42.45 12.31,42.47 12.25,42.5 12.2,42.52 12.14,42.55 J26.26 J3.26
  Bottom w0.33: J3.26 J26.26 12.14,42.55 12.2,42.52 12.25,42.5 12.31,42.47 12.36,42.45 12.42,42.43 12.48,42.42 12.54,42.4 12.6,42.39 12.66,42.39 12.72,42.38 12.78,42.38 17.94,42.38 18,42.38 18.06,42.39 18.12,42.39 18.18,42.4 18.24,42.42 18.29,42.43 18.35,42.45 18.41,42.47 18.46,42.5 18.52,42.52 18.57,42.55 J12.26 25.63,43.65 27.54,42.55 27.59,42.52 27.65,42.5 27.7,42.47 27.76,42.45 27.82,42.43 27.88,42.42 27.93,42.4 27.99,42.39 28.05,42.39 28.11,42.38 28.17,42.38 33.33,42.38 33.39,42.38 33.45,42.39 33.51,42.39 33.57,42.4 33.63,42.42 33.69,42.43 33.75,42.45 33.8,42.47 33.86,42.5 33.91,42.52 33.97,42.55 J13.26 J28.26 42.94,42.55 42.99,42.52 43.04,42.5 43.1,42.47 43.16,42.45 43.21,42.43 43.27,42.42 43.33,42.4 43.39,42.39 43.45,42.39 43.51,42.38 43.57,42.38 48.73,42.38 48.79,42.38 48.85,42.39 48.91,42.39 48.97,42.4 49.03,42.42 49.09,42.43 49.15,42.45 49.2,42.47 49.26,42.5 49.31,42.52 49.36,42.55 J11.26 J27.26 58.33,42.55 58.39,42.52 58.44,42.5 58.5,42.47 58.55,42.45 58.61,42.43 58.67,42.42 58.73,42.4 58.79,42.39 58.85,42.39 58.91,42.38 58.97,42.38 64.13,42.38 64.19,42.38 64.25,42.39 64.31,42.39 64.37,42.4 64.43,42.42 64.48,42.43 64.54,42.45 64.6,42.47 64.65,42.5 64.71,42.52 64.76,42.55 J25.26 J38.26 73.73,42.55 73.78,42.52 73.84,42.5 73.89,42.47 73.95,42.45 74.01,42.43 74.07,42.42 74.12,42.4 74.18,42.39 74.24,42.39 74.3,42.38 74.36,42.38 79.52,42.38 79.58,42.38 79.64,42.39 79.7,42.39 79.76,42.4 79.82,42.42 79.88,42.43 79.94,42.45 79.99,42.47 80.05,42.5 80.1,42.52 80.16,42.55 J30.26 J10.26 89.13,42.55 89.18,42.52 89.23,42.5 89.29,42.47 89.35,42.45 89.4,42.43 89.46,42.42 89.52,42.4 89.58,42.39 89.64,42.39 89.7,42.38 89.76,42.38 94.92,42.38 94.98,42.38 95.04,42.39 95.1,42.39 95.16,42.4 95.22,42.42 95.28,42.43 95.34,42.45 95.39,42.47 95.45,42.5 95.5,42.52 95.55,42.55 J29.26
F_A1: length 192.5
  Top w0.33: J3.28 J26.28 12.14,40.01 12.2,39.98 12.25,39.96 12.31,39.93 12.36,39.91 12.42,39.89 12.48,39.88 12.54,39.86 12.6,39.85 12.66,39.85 12.72,39.84 12.78,39.84 17.94,39.84 18,39.84 18.06,39.85 18.12,39.85 18.18,39.86 18.24,39.88 18.29,39.89 18.35,39.91 18.41,39.93 18.46,39.96 18.52,39.98 18.57,40.01 J12.28 25.63,41.11 27.54,40.01 27.59,39.98 27.65,39.96 27.7,39.93 27.76,39.91 27.82,39.89 27.88,39.88 27.93,39.86 27.99,39.85 28.05,39.85 28.11,39.84 28.17,39.84 33.33,39.84 33.39,39.84 33.45,39.85 33.51,39.85 33.57,39.86 33.63,39.88 33.69,39.89 33.75,39.91 33.8,39.93 33.86,39.96 33.91,39.98 33.97,40.01 J13.28 J28.28 42.94,40.01 42.99,39.98 43.04,39.96 43.1,39.93 43.16,39.91 43.21,39.89 43.27,39.88 43.33,39.86 43.39,39.85 43.45,39.85 43.51,39.84 43.57,39.84 48.73,39.84 48.79,39.84 48.85,39.85 48.91,39.85 48.97,39.86 49.03,39.88 49.09,39.89 49.15,39.91 49.2,39.93 49.26,39.96 49.31,39.98 49.36,40.01 J11.28 J27.28 58.33,40.01 58.39,39.98 58.44,39.96 58.5,39.93 58.55,39.91 58.61,39.89 58.67,39.88 58.73,39.86 58.79,39.85 58.85,39.85 58.91,39.84 58.97,39.84 64.13,39.84 64.19,39.84 64.25,39.85 64.31,39.85 64.37,39.86 64.43,39.88 64.48,39.89 64.54,39.91 64.6,39.93 64.65,39.96 64.71,39.98 64.76,40.01 J25.28 J38.28 73.73,40.01 73.78,39.98 73.84,39.96 73.89,39.93 73.95,39.91 74.01,39.89 74.07,39.88 74.12,39.86 74.18,39.85 74.24,39.85 74.3,39.84 74.36,39.84 79.52,39.84 79.58,39.84 79.64,39.85 79.7,39.85 79.76,39.86 79.82,39.88 79.88,39.89 79.94,39.91 79.99,39.93 80.05,39.96 80.1,39.98 80.16,40.01 J30.28 J10.28 89.13,40.01 89.18,39.98 89.23,39.96 89.29,39.93 89.35,39.91 89.4,39.89 89.46,39.88 89.52,39.86 89.58,39.85 89.64,39.85 89.7,39.84 89.76,39.84 94.92,39.84 94.98,39.84 95.04,39.85 95.1,39.85 95.16,39.86 95.22,39.88 95.28,39.89 95.34,39.91 95.39,39.93 95.45,39.96 95.5,39.98 95.55,40.01 J29.28
  Bottom w0.33: J29.28 95.55,40.01 95.5,39.98 95.45,39.96 95.39,39.93 95.34,39.91 95.28,39.89 95.22,39.88 95.16,39.86 95.1,39.85 95.04,39.85 94.98,39.84 94.92,39.84 89.76,39.84 89.7,39.84 89.64,39.85 89.58,39.85 89.52,39.86 89.46,39.88 89.4,39.89 89.35,39.91 89.29,39.93 89.23,39.96 89.18,39.98 89.13,40.01 J10.28 J30.28 80.16,40.01 80.1,39.98 80.05,39.96 79.99,39.93 79.94,39.91 79.88,39.89 79.82,39.88 79.76,39.86 79.7,39.85 79.64,39.85 79.58,39.84 79.52,39.84 74.36,39.84 74.3,39.84 74.24,39.85 74.18,39.85 74.12,39.86 74.07,39.88 74.01,39.89 73.95,39.91 73.89,39.93 73.84,39.96 73.78,39.98 73.73,40.01 J38.28 J25.28 64.76,40.01 64.71,39.98 64.65,39.96 64.6,39.93 64.54,39.91 64.48,39.89 64.43,39.88 64.37,39.86 64.31,39.85 64.25,39.85 64.19,39.84 64.13,39.84 58.97,39.84 58.91,39.84 58.85,39.85 58.79,39.85 58.73,39.86 58.67,39.88 58.61,39.89 58.55,39.91 58.5,39.93 58.44,39.96 58.39,39.98 58.33,40.01 J27.28 J11.28 49.36,40.01 49.31,39.98 49.26,39.96 49.2,39.93 49.15,39.91 49.09,39.89 49.03,39.88 48.97,39.86 48.91,39.85 48.85,39.85 48.79,39.84 48.73,39.84 43.57,39.84 43.51,39.84 43.45,39.85 43.39,39.85 43.33,39.86 43.27,39.88 43.21,39.89 43.16,39.91 43.1,39.93 43.04,39.96 42.99,39.98 42.94,40.01 J28.28 J13.28 33.97,40.01 33.91,39.98 33.86,39.96 33.8,39.93 33.75,39.91 33.69,39.89 33.63,39.88 33.57,39.86 33.51,39.85 33.45,39.85 33.39,39.84 33.33,39.84 28.17,39.84 28.11,39.84 28.05,39.85 27.99,39.85 27.93,39.86 27.88,39.88 27.82,39.89 27.76,39.91 27.7,39.93 27.65,39.96 27.59,39.98 27.54,40.01 25.63,41.11 J12.28 18.57,40.01 18.52,39.98 18.46,39.96 18.41,39.93 18.35,39.91 18.29,39.89 18.24,39.88 18.18,39.86 18.12,39.85 18.06,39.85 18,39.84 17.94,39.84 12.78,39.84 12.72,39.84 12.66,39.85 12.6,39.85 12.54,39.86 12.48,39.88 12.42,39.89 12.36,39.91 12.31,39.93 12.25,39.96 12.2,39.98 12.14,40.01 J26.28 J3.28
